# Allegro board 038RT-9068CJK8E-A100_0921_1.brd (continued)
## Routing (per net, layer and track width the routed paths; a pad name or vN(x,y) marks a point on that pad's centre or on a via; arc(x,y) is an arc through that point) (continued)
  BOTTOM w0.115: RR500.1 v1(98.16,230.1) RR510.1
S0_P1_TXD1: length 234.8
  L11_SIGNAL w0.102: 292.92,200.13 292.89,200.13 292.79,200.22 292.1,200.22 v1(291.7,199.82)
  L11_SIGNAL w0.105: 292.92,200.13 293.96,200.13 295.2,201.37 295.2,203.4 297.79,205.99 297.79,209.96 297.51,210.24 297.51,215.44 290.95,222 290.95,226.84 287.39,230.4 286.6,230.4 285.65,231.35 226.75,231.35 225.88,232.23 220.08,232.23 217.42,234.88 198.05,234.88 195.52,237.42 181.87,237.42 180.22,239.07 162.7,239.07 162.33,238.71 137.34,238.71 136.19,237.56 136.19,236.61 135.12,235.53 133.29,235.53 132.45,234.69 127.1,234.69 126.56,234.14 126.54,234.14 126.45,234.06 103.38,234.06 100.94,231.63 100.94,230.85 v1(100.2,230.1)
  BOTTOM w0.115: RR501.1 v1(100.2,230.1) RR511.1
S0_P1_TXD2: length 247.3
  L11_SIGNAL w0.105: v1(291.7,199.02) 292.25,198.47 294.44,198.47 295.26,199.29 297.62,199.29 301.29,202.96 301.29,208.49 298.62,211.16 298.62,215.9 293.43,221.09 293.43,225.56 292.06,226.93 292.06,227.3 287.85,231.51 287.22,231.51 286.23,232.5 227.38,232.5 226.39,233.49 222.86,233.49 218.75,237.6 198.44,237.6 197.47,238.57 182.3,238.57 178.98,241.9 137.97,241.9 134.67,238.59 133.75,238.59 130.99,235.84 101.87,235.84 v1(96.13,230.1)
  BOTTOM w0.115: RR502.1 v1(96.13,230.1) RR512.1
S0_P1_TXD3: length 255.4
  L11_SIGNAL w0.102: v1(290.9,199.82) 290.5,199.42 290.5,198.67 290.57,198.6
  L11_SIGNAL w0.105: v1(94.1,230.1) 100.4,236.4 130.69,236.4 133.33,239.04 133.33,240.33 135.45,242.45 181.9,242.45 182.47,241.88 182.85,241.88 185.6,239.13 197.7,239.13 198.64,238.19 218.94,238.19 223.09,234.04 226.62,234.04 227.61,233.06 288.04,233.06 293.98,227.12 293.98,221.32 299.17,216.13 299.17,211.39 301.84,208.72 301.84,202.73 301.62,202.51 301.62,202.48 297.03,197.89 291.28,197.89 290.57,198.6
  BOTTOM w0.115: RR513.1 v1(94.1,230.1) RR503.1
S0_P1_TXEN: length 230.6
  L11_SIGNAL w0.102: v1(292.5,200.62) 292.5,200.65 292.61,200.76 292.92,200.76
  L11_SIGNAL w0.105: v1(102.23,230.1) 103.04,230.91 103.04,232.38 104.14,233.48 126.85,233.48 127.42,234.04 132.76,234.04 133.69,234.97 135.4,234.97 136.74,236.31 136.74,236.37 136.75,236.38 136.75,237.33 137.57,238.15 162.56,238.15 162.93,238.52 179.99,238.52 181.64,236.86 195.29,236.86 197.82,234.33 217.08,234.33 219.73,231.67 225.38,231.67 226.42,230.64 239.01,230.64 240.46,229.19 262.71,229.19 263.36,229.85 287.16,229.85 290.4,226.61 290.4,221.77 296.95,215.21 296.95,210.01 297.24,209.73 297.24,206.22 294.53,203.51 294.53,201.61 293.67,200.76 292.92,200.76
  BOTTOM w0.115: RR515.1 v1(102.23,230.1) RR505.1
S0_P1_VDDIO:
  vias: v1(290.9,202.22) v1(291.7,201.42) v1(292.5,202.22) v1(297.46,202.26) v1(298.28,201.75) v1(298.92,201.75)
S0_P2_GIGA_MDI+: length 5.6
  BOTTOM w0.105: T18.3 287.43,217.32 287.43,216.71 289.93,214.21 289.93,213.59 v1(290.1,213.42)
S0_P2_GIGA_MDI-: length 5.6
  BOTTOM w0.105: T18.4 286.96,217.32 286.96,216.52 289.46,214.02 289.46,213.59 v1(289.3,213.42)
S0_P2_LED: length 27.1
  L05_SIGNAL w0.102: 292.92,206.62 289.7,206.62 v1(289.3,207.02)
  L05_SIGNAL w0.105: 292.92,206.62 296.24,206.62 296.53,206.91 307.43,206.91 308.65,208.13 314.3,208.13 v1(315.24,209.07)
S0_P3_GIGA_MDI+: length 5.6
  BOTTOM w0.105: v1(291.7,213.42) 291.53,213.59 291.53,213.77 294.03,216.28 294.03,217.32 T23.3
S0_P3_GIGA_MDI-: length 5.6
  BOTTOM w0.105: v1(290.9,213.42) 291.06,213.59 291.06,213.97 293.57,216.47 293.57,217.32 T23.4
S0_P3_LED: length 20
  L05_SIGNAL w0.102: v1(289.3,206.22) 289.7,205.82 292.92,205.82
  L05_SIGNAL w0.105: 292.92,205.82 296.69,205.82 297.19,206.32 308.68,206.32 v1(308.89,206.53)
S0_P4_HSI+: length 186.5
  L07_SIGNAL w0.1: 286.6,198.6 286.66,198.53 arc(286.7,198.48) 286.72,198.41 286.72,197.96 arc(286.7,197.91) 286.68,197.86 283.77,194.96 arc(283.36,194.34) 283.21,193.62 283.21,189.78 arc(282.54,188.17) 280.93,187.5 280.85,187.5 arc(277.92,186.92) 275.43,185.26 271.87,181.69 arc(269.65,180.2) 267.03,179.68 222.88,179.68 194.85,207.72 arc(194.68,207.83) 194.49,207.87 157.46,207.87 arc(157.4,207.88) 157.36,207.91 149.39,215.88 arc(149.36,215.92) 149.35,215.97 149.35,220.55 arc(149.31,220.75) 149.2,220.91 144.21,225.9 arc(144.05,226.01) 143.86,226.05 139.69,226.05 arc(139.49,226.01) 139.33,225.9 139.22,225.79 arc(139.11,225.63) 139.07,225.43 139.07,224.53 arc(139.11,224.34) 139.22,224.18 139.41,223.99 arc(139.57,223.88) 139.76,223.85 140.38,223.85 arc(140.47,223.83) 140.54,223.78 v1(140.62,223.7)
  L07_SIGNAL w0.102: 286.6,198.6 286.54,198.66 arc(286.51,198.71) 286.5,198.76 286.5,199.21 arc(286.54,199.4) 286.64,199.57 v4(286.9,199.82)
  BOTTOM w0.105: K184.3 139.03,223.8 140.52,223.8 v1(140.62,223.7)
S0_P4_HSI-: length 186.5
  L07_SIGNAL w0.1: v1(140.62,224.36) 140.54,224.28 arc(140.47,224.23) 140.38,224.21 139.76,224.21 arc(139.71,224.22) 139.66,224.25 139.48,224.43 arc(139.45,224.48) 139.44,224.53 139.44,225.43 arc(139.45,225.49) 139.48,225.53 139.59,225.64 arc(139.63,225.67) 139.69,225.68 143.86,225.68 arc(143.91,225.67) 143.95,225.64 148.95,220.65 arc(148.98,220.61) 148.99,220.55 148.99,215.97 arc(149.02,215.78) 149.13,215.62 157.1,207.65 arc(157.27,207.54) 157.46,207.5 162.2,207.5 arc(162.31,207.48) 162.4,207.42 162.42,207.41 arc(162.53,207.33) 162.68,207.3 162.74,207.3 arc(162.88,207.33) 163,207.41 163.02,207.42 arc(163.11,207.48) 163.22,207.5 163.4,207.5 arc(163.51,207.48) 163.6,207.42 163.62,207.41 arc(163.73,207.33) 163.85,207.31 163.97,207.31 arc(164.09,207.33) 164.2,207.41 164.22,207.42 arc(164.31,207.48) 164.42,207.5 164.6,207.5 arc(164.71,207.48) 164.8,207.42 164.82,207.41 arc(164.93,207.33) 165.07,207.3 165.15,207.3 arc(165.29,207.33) 165.4,207.41 165.42,207.42 arc(165.51,207.48) 165.62,207.5 165.8,207.5 arc(165.91,207.48) 166,207.42 166.02,207.41 arc(166.14,207.32) 166.29,207.29 166.34,207.29 arc(166.48,207.32) 166.6,207.41 166.62,207.42 arc(166.71,207.48) 166.82,207.5 167,207.5 arc(167.11,207.48) 167.21,207.42 167.22,207.41 arc(167.33,207.33) 167.46,207.3 167.56,207.3 arc(167.69,207.33) 167.81,207.41 167.82,207.42 arc(167.91,207.48) 168.02,207.5 194.49,207.5 arc(194.55,207.49) 194.59,207.46 222.69,179.37 arc(222.74,179.33) 222.8,179.32 267.03,179.32 arc(269.78,179.87) 272.12,181.43 275.69,185 arc(278.06,186.58) 280.85,187.14 280.93,187.14 arc(282.8,187.91) 283.58,189.78 283.58,193.61 arc(283.69,194.2) 284.03,194.7 286.93,197.61 arc(287.04,197.77) 287.08,197.96 287.08,198.43 arc(287.09,198.49) 287.12,198.54 287.18,198.6
  L07_SIGNAL w0.102: 287.18,198.6 287.25,198.67 arc(287.28,198.72) 287.3,198.79 287.3,199.21 arc(287.34,199.4) 287.44,199.57 v4(287.7,199.82)
  BOTTOM w0.105: v1(140.62,224.36) 140.52,224.26 139.03,224.26 K184.2
S0_P4_HSO+: length 174.2
  L05_SIGNAL w0.1: 287.91,198.6 287.91,198.58 287.92,198.57 arc(287.79,198.27) 287.49,198.15 283.87,198.15 arc(283.59,198.09) 283.34,197.93 arc(283.2,197.83) 283.04,197.8 264.68,197.8 arc(264.62,197.81) 264.58,197.84 263.01,199.41 263.01,199.41 261.92,200.5 arc(261.24,200.95) 260.45,201.11 251.32,201.11 arc(251.17,201.14) 251.04,201.23 250.6,201.66 arc(250.31,202.09) 250.21,202.6 250.21,206.25 arc(249.59,207.76) 248.07,208.39 164.91,208.39 arc(162.62,208.84) 160.68,210.14 144.91,225.91 arc(144.36,226.28) 143.7,226.41 141,226.41 arc(140.4,226.29) 139.89,225.95 139.53,225.59 arc(139.23,225.14) 139.13,224.62 139.13,222.35 arc(139.16,222.16) 139.27,221.99 139.49,221.78 arc(139.65,221.67) 139.85,221.63 140.92,221.63 arc(141.15,221.68) 141.35,221.81 141.35,221.81 arc(141.39,221.84) 141.44,221.85 142.16,221.85 arc(142.24,221.83) 142.32,221.78 v1(142.4,221.7)
  L05_SIGNAL w0.102: 287.91,198.6 287.91,198.71 arc(287.9,198.8) 287.85,198.87 v4(287.7,199.02)
  BOTTOM w0.105: K184.7 139.03,221.8 142.3,221.8 v1(142.4,221.7)
S0_P4_HSO-: length 174.2
  L05_SIGNAL w0.1: 288.28,198.6 288.28,198.58 288.28,198.57 arc(288.05,198.02) 287.49,197.78 283.87,197.78 arc(283.73,197.75) 283.6,197.67 arc(283.34,197.5) 283.04,197.44 264.68,197.44 arc(264.48,197.47) 264.32,197.58 262.65,199.26 261.66,200.24 arc(261.1,200.62) 260.45,200.75 251.32,200.75 arc(251.03,200.8) 250.78,200.97 250.35,201.4 arc(249.98,201.95) 249.85,202.6 249.85,206.25 arc(249.33,207.5) 248.07,208.02 173.34,208.02 arc(173.23,208) 173.14,207.94 arc(173.03,207.87) 172.9,207.84 172.76,207.84 arc(172.63,207.87) 172.52,207.94 arc(172.43,208) 172.32,208.02 172.14,208.02 arc(172.03,208) 171.94,207.94 arc(171.82,207.86) 171.68,207.83 171.58,207.83 arc(171.44,207.86) 171.32,207.94 arc(171.23,208) 171.12,208.02 170.94,208.02 arc(170.83,208) 170.74,207.94 170.72,207.93 arc(170.61,207.85) 170.48,207.83 170.4,207.83 arc(170.25,207.86) 170.12,207.94 170.12,207.94 arc(170.03,208) 169.92,208.02 169.74,208.02 arc(169.63,208) 169.54,207.94 169.53,207.93 arc(169.41,207.86) 169.28,207.83 169.19,207.83 arc(169.04,207.86) 168.92,207.94 arc(168.83,208) 168.72,208.02 168.54,208.02 arc(168.43,208) 168.33,207.94 168.32,207.92 arc(168.24,207.87) 168.15,207.86 167.93,207.86 arc(167.82,207.88) 167.72,207.94 arc(167.63,208) 167.52,208.02 164.91,208.02 arc(162.48,208.51) 160.42,209.88 144.65,225.65 arc(144.22,225.94) 143.7,226.05 141,226.05 arc(140.54,225.95) 140.15,225.69 139.78,225.33 arc(139.57,225) 139.49,224.62 139.49,222.35 arc(139.5,222.3) 139.53,222.25 139.75,222.03 arc(139.79,222) 139.85,221.99 140.92,221.99 arc(141.01,222.01) 141.09,222.07 arc(141.25,222.17) 141.44,222.21 142.09,222.21 arc(142.24,222.24) 142.37,222.32 v1(142.4,222.36)
  L05_SIGNAL w0.102: 288.28,198.6 288.28,198.87 arc(288.32,198.97) 288.43,199.02 v4(288.5,199.02)
  BOTTOM w0.105: v1(142.4,222.36) 142.3,222.26 139.03,222.26 K184.6
S0_P5_HSI+: length 189.1
  L07_SIGNAL w0.1: 288.2,198.6 288.27,198.54 arc(288.3,198.48) 288.32,198.42 288.32,186.82 arc(288.1,185.73) 287.48,184.81 279,176.32 arc(278.62,176.07) 278.17,175.98 223.18,175.98 arc(223.13,175.99) 223.08,176.02 194.68,204.43 arc(194.51,204.54) 194.32,204.57 177.63,204.57 arc(177.5,204.6) 177.39,204.68 177.37,204.69 arc(177.24,204.78) 177.09,204.81 177.07,204.81 arc(176.92,204.78) 176.79,204.69 176.77,204.68 arc(176.66,204.6) 176.53,204.57 176.43,204.57 arc(176.3,204.6) 176.19,204.68 176.17,204.69 arc(176.05,204.77) 175.9,204.8 175.86,204.8 arc(175.71,204.77) 175.59,204.69 175.57,204.68 arc(175.46,204.6) 175.33,204.57 175.23,204.57 arc(175.1,204.6) 174.98,204.68 174.97,204.69 arc(174.85,204.77) 174.71,204.8 174.64,204.8 arc(174.5,204.77) 174.38,204.69 174.37,204.68 arc(174.26,204.6) 174.12,204.57 174.03,204.57 arc(173.9,204.6) 173.78,204.68 173.77,204.69 arc(173.65,204.77) 173.51,204.8 173.44,204.8 arc(173.3,204.77) 173.18,204.69 173.17,204.68 arc(173.06,204.6) 172.92,204.57 172.83,204.57 arc(172.7,204.6) 172.58,204.68 172.57,204.69 arc(172.45,204.77) 172.31,204.8 172.24,204.8 arc(172.1,204.77) 171.98,204.69 171.97,204.68 arc(171.86,204.6) 171.72,204.57 171.63,204.57 arc(171.49,204.6) 171.38,204.68 171.37,204.69 arc(171.25,204.77) 171.11,204.8 171.04,204.8 arc(170.9,204.77) 170.78,204.69 170.77,204.68 arc(170.65,204.6) 170.52,204.57 170.43,204.57 arc(170.29,204.6) 170.18,204.68 170.17,204.69 arc(170.05,204.77) 169.91,204.8 169.83,204.8 arc(169.7,204.77) 169.58,204.69 169.57,204.68 arc(169.45,204.6) 169.32,204.57 169.23,204.57 arc(169.09,204.6) 168.98,204.68 168.97,204.69 arc(168.85,204.77) 168.72,204.79 168.63,204.79 arc(168.49,204.77) 168.38,204.69 168.37,204.68 arc(168.25,204.6) 168.12,204.57 168.03,204.57 arc(167.89,204.6) 167.78,204.68 167.77,204.69 arc(167.65,204.77) 167.52,204.79 167.43,204.79 arc(167.29,204.77) 167.18,204.69 167.17,204.68 arc(167.05,204.6) 166.92,204.57 166.82,204.57 arc(166.69,204.6) 166.58,204.68 166.56,204.69 arc(166.45,204.77) 166.32,204.79 166.22,204.79 arc(166.09,204.77) 165.98,204.69 165.96,204.68 arc(165.85,204.6) 165.72,204.57 165.62,204.57 arc(165.49,204.6) 165.38,204.68 165.36,204.69 arc(165.25,204.77) 165.12,204.79 165.02,204.79 arc(164.89,204.77) 164.78,204.69 164.76,204.68 arc(164.65,204.6) 164.52,204.57 164.42,204.57 arc(164.29,204.6) 164.18,204.68 164.16,204.69 arc(164.05,204.77) 163.92,204.79 163.82,204.79 arc(163.69,204.77) 163.58,204.69 163.56,204.68 arc(163.45,204.6) 163.32,204.57 163.22,204.57 arc(163.09,204.6) 162.98,204.68 162.96,204.69 arc(162.85,204.77) 162.72,204.79 162.62,204.79 arc(162.49,204.77) 162.38,204.69 162.36,204.68 arc(162.25,204.6) 162.11,204.57 162.02,204.57 arc(161.89,204.6) 161.77,204.68 161.76,204.69 arc(161.65,204.77) 161.51,204.79 161.42,204.79 arc(161.29,204.77) 161.17,204.69 161.16,204.68 arc(161.05,204.6) 160.91,204.57 157.29,204.57 arc(157.23,204.59) 157.19,204.62 143.35,218.46 arc(143.32,218.5) 143.31,218.56 143.31,219.23 arc(143.34,219.31) 143.42,219.35 143.75,219.35 arc(143.84,219.33) 143.91,219.28 v1(143.99,219.2)
  L07_SIGNAL w0.102: 288.2,198.6 288.14,198.66 arc(288.11,198.71) 288.1,198.77 288.1,199.21 arc(288.14,199.4) 288.24,199.57 v4(288.5,199.82)
  BOTTOM w0.105: v1(143.99,219.2) 143.9,219.3 139.03,219.3 K184.12
S0_P5_HSI-: length 189.1
  L07_SIGNAL w0.1: 288.75,198.6 288.68,198.53 288.68,186.82 arc(288.43,185.59) 287.74,184.55 279.25,176.06 arc(278.76,175.73) 278.17,175.62 223.18,175.62 arc(222.99,175.66) 222.83,175.76 194.42,204.17 arc(194.37,204.2) 194.32,204.21 157.29,204.21 arc(157.09,204.25) 156.93,204.36 143.09,218.2 arc(142.98,218.36) 142.94,218.56 142.94,219.23 arc(143.08,219.57) 143.42,219.71 143.75,219.71 arc(143.84,219.73) 143.91,219.78 v1(143.99,219.86)
  L07_SIGNAL w0.102: 288.75,198.6 288.83,198.68 arc(288.88,198.76) 288.9,198.85 288.9,199.21 arc(288.94,199.4) 289.04,199.57 v4(289.3,199.82)
  BOTTOM w0.105: K184.11 139.03,219.76 143.9,219.76 v1(143.99,219.86)
S0_P5_HSO+: length 171.1
  L05_SIGNAL w0.1: v1(142.4,217.2) 142.32,217.28 arc(142.24,217.33) 142.16,217.35 140.31,217.35 arc(140.26,217.34) 140.22,217.31 139.58,216.66 arc(139.55,216.62) 139.54,216.57 139.54,213.58 arc(139.55,213.53) 139.58,213.49 140.58,212.48 arc(140.63,212.45) 140.68,212.44 147.76,212.44 arc(147.95,212.4) 148.11,212.29 158.29,202.12 arc(158.33,202.09) 158.38,202.08 159.75,202.08 arc(159.89,202.1) 160,202.18 160.01,202.19 arc(160.13,202.27) 160.26,202.3 160.35,202.3 arc(160.49,202.27) 160.6,202.19 160.62,202.18 arc(160.73,202.1) 160.86,202.08 160.96,202.08 arc(161.09,202.1) 161.2,202.18 161.22,202.19 arc(161.33,202.27) 161.46,202.3 161.56,202.3 arc(161.69,202.27) 161.8,202.19 161.82,202.18 arc(161.93,202.1) 162.06,202.08 162.16,202.08 arc(162.29,202.1) 162.4,202.18 162.42,202.19 arc(162.53,202.27) 162.66,202.3 162.76,202.3 arc(162.89,202.27) 163,202.19 163.02,202.18 arc(163.13,202.1) 163.26,202.08 163.36,202.08 arc(163.49,202.1) 163.6,202.18 163.62,202.19 arc(163.73,202.27) 163.86,202.3 163.96,202.3 arc(164.09,202.27) 164.2,202.19 164.22,202.18 arc(164.33,202.1) 164.46,202.08 164.56,202.08 arc(164.69,202.1) 164.8,202.18 164.82,202.19 arc(164.93,202.27) 165.07,202.3 165.16,202.3 arc(165.29,202.27) 165.41,202.19 165.42,202.18 arc(165.53,202.1) 165.67,202.08 165.76,202.08 arc(165.89,202.1) 166.01,202.18 166.02,202.19 arc(166.13,202.27) 166.27,202.3 166.36,202.3 arc(166.49,202.27) 166.61,202.19 166.62,202.18 arc(166.73,202.1) 166.87,202.08 166.96,202.08 arc(167.09,202.1) 167.21,202.18 167.22,202.19 arc(167.33,202.27) 167.47,202.3 167.56,202.3 arc(167.69,202.27) 167.81,202.19 167.82,202.18 arc(167.93,202.1) 168.07,202.08 168.16,202.08 arc(168.29,202.1) 168.41,202.18 168.42,202.19 arc(168.53,202.27) 168.67,202.3 168.76,202.3 arc(168.89,202.27) 169.01,202.19 169.02,202.18 arc(169.13,202.1) 169.27,202.08 169.36,202.08 arc(169.5,202.1) 169.61,202.18 169.62,202.19 arc(169.74,202.27) 169.87,202.3 169.96,202.3 arc(170.1,202.27) 170.21,202.19 170.22,202.18 arc(170.34,202.1) 170.47,202.08 170.56,202.08 arc(170.7,202.1) 170.81,202.18 170.82,202.19 arc(170.94,202.27) 171.07,202.3 171.16,202.3 arc(171.3,202.27) 171.41,202.19 171.42,202.18 arc(171.54,202.1) 171.67,202.08 171.76,202.08 arc(171.9,202.1) 172.01,202.18 172.02,202.19 arc(172.14,202.27) 172.29,202.3 172.35,202.3 arc(172.49,202.27) 172.61,202.19 172.62,202.18 arc(172.74,202.1) 172.87,202.08 172.96,202.08 arc(173.1,202.1) 173.21,202.18 173.22,202.19 arc(173.35,202.28) 173.5,202.31 173.54,202.31 arc(173.68,202.28) 173.81,202.19 173.83,202.18 arc(173.94,202.1) 174.07,202.08 174.17,202.08 arc(174.3,202.1) 174.41,202.18 174.43,202.19 arc(174.55,202.28) 174.69,202.3 174.74,202.3 arc(174.89,202.28) 175.01,202.19 175.03,202.18 arc(175.14,202.1) 175.27,202.08 175.37,202.08 arc(175.5,202.1) 175.61,202.18 175.63,202.19 arc(175.76,202.28) 175.91,202.31 175.93,202.31 arc(176.08,202.28) 176.21,202.19 176.23,202.18 arc(176.34,202.1) 176.47,202.08 221.83,202.08 arc(222.02,202.04) 222.18,201.93 222.95,201.16 arc(222.98,201.14) 223.02,201.13 244.77,201.13 arc(245.52,200.98) 246.16,200.56 247.84,198.88 arc(248.08,198.72) 248.36,198.66 259.72,198.66 arc(259.91,198.62) 260.07,198.52 262.59,196 arc(262.64,195.97) 262.69,195.96 280,195.96 arc(280.26,196.01) 280.47,196.15 arc(280.68,196.29) 280.93,196.34 288.97,196.34 arc(289.15,196.38) 289.29,196.48 289.47,196.66 arc(289.5,196.7) 289.52,196.75 289.52,198.57 289.51,198.58 289.51,198.6
  L05_SIGNAL w0.102: 289.51,198.6 289.51,198.71 arc(289.5,198.8) 289.45,198.87 v4(289.3,199.02)
  BOTTOM w0.105: K184.16 139.03,217.3 142.3,217.3 v1(142.4,217.2)
S0_P5_HSO-: length 171.1
  L05_SIGNAL w0.1: 289.88,198.6 289.88,198.58 289.88,198.57 289.88,196.75 arc(289.84,196.56) 289.73,196.4 289.55,196.22 arc(289.29,196.04) 288.97,195.98 280.93,195.98 arc(280.82,195.96) 280.73,195.9 arc(280.4,195.67) 280,195.59 262.69,195.59 arc(262.5,195.63) 262.34,195.74 259.82,198.26 arc(259.77,198.29) 259.72,198.3 248.36,198.3 arc(247.94,198.38) 247.58,198.62 245.9,200.3 arc(245.38,200.65) 244.77,200.77 223.02,200.77 arc(222.84,200.8) 222.69,200.91 221.92,201.67 arc(221.88,201.7) 221.83,201.71 158.38,201.71 arc(158.19,201.75) 158.03,201.86 147.85,212.04 arc(147.81,212.07) 147.76,212.08 140.68,212.08 arc(140.49,212.11) 140.33,212.22 139.32,213.23 arc(139.21,213.39) 139.17,213.58 139.17,216.57 arc(139.21,216.76) 139.32,216.92 139.96,217.56 arc(140.12,217.67) 140.31,217.71 142.16,217.71 arc(142.24,217.73) 142.32,217.78 v1(142.4,217.86)
  L05_SIGNAL w0.102: 289.88,198.6 289.88,198.71 arc(289.9,198.8) 289.94,198.87 v4(290.1,199.02)
  BOTTOM w0.105: K184.15 139.03,217.76 142.3,217.76 v1(142.4,217.86)
S0_P5_LDOOUT:
  vias: v1(286.9,206.22) v1(286.9,205.42)
S0_P5_LED: length 23.4
  L05_SIGNAL w0.102: 292.92,205.02 289.7,205.02 v1(289.3,205.42)
  L05_SIGNAL w0.105: 292.92,205.02 311.03,205.02 v1(312.06,203.99)
S0_P5_MDI+: length 29.7
  TOP w0.105: 259.12,211.94 261.94,211.94 263.49,213.49 263.49,216.29 264.28,217.08 279.12,217.08 281.13,215.07 281.13,213.59 SITE0.A5
  TOP w0.115: 259.12,211.94 259.01,212.05 K130.3
S0_P5_MDI-: length 29.7
  TOP w0.105: 259.12,211.48 262.14,211.48 263.95,213.3 263.95,213.84 264.08,213.97 264.17,213.97 264.29,214.09 264.29,214.26 264.17,214.39 264.08,214.39 263.95,214.51 263.95,214.68 264.08,214.81 264.17,214.81 264.29,214.93 264.29,215.1 264.17,215.23 264.08,215.23 263.95,215.35 263.95,216.09 264.47,216.61 278.93,216.61 280.66,214.87 280.66,213.59 SITE0.A4
  TOP w0.115: K130.6 259.01,211.37 259.12,211.48
S0_P5_RXC: length 26.4
  L07_SIGNAL w0.102: 292.92,208.62 v1(292.5,208.62)
  L07_SIGNAL w0.105: 292.92,208.62 293.55,208.62 294.67,209.74 294.67,215.22 289.84,220.04 289.84,221.91 286.33,225.43 284.47,225.43 v1(282.91,223.87)
  BOTTOM w0.115: RR924.1 v1(282.91,223.87) RR934.1
S0_P5_RXD0: length 193.1
  L11_SIGNAL w0.102: v1(292.5,211.02) 292.1,211.41 292.1,211.98 292.11,211.98 292.11,212.46 292.1,212.46 292.1,213.77 292.04,213.84
  L11_SIGNAL w0.105: 292.04,213.84 290.01,215.86 281.45,215.86 281.01,216.3 265.93,216.3 262.13,220.1 238.76,220.1 236.81,222.04 228.35,222.04 227.84,222.55 220.1,222.55 214.38,228.26 196.8,228.26 195.29,229.77 185.18,229.77 183.28,231.66 180.49,231.66 179.16,232.99 170.54,232.99 169.99,232.44 166.08,232.44 161.32,227.68 147.19,227.68 145.59,226.07 128.03,226.07 125.71,223.75 118.89,223.75 v1(115.62,220.48)
  BOTTOM w0.115: RR930.1 v1(115.62,220.48) RR920.1
S0_P5_RXD1: length 20.6
  L07_SIGNAL w0.102: v1(291.7,210.22) 292.1,209.82 292.92,209.82
  L07_SIGNAL w0.105: 292.92,209.82 293.34,209.82 293.93,210.41 293.93,215.11 285.17,223.87 v1(284.94,223.87)
  BOTTOM w0.115: RR921.1 v1(284.94,223.87) RR931.1
S0_P5_RXD2: length 18
  L07_SIGNAL w0.105: v1(282.91,220.06) 287.86,220.06 293.35,214.58 293.35,211.07 v1(292.5,210.22)
  BOTTOM w0.115: RR922.1 v1(282.91,220.06) RR932.1
S0_P5_RXD3: length 28.3
  L15_SIGNAL w0.102: v1(291.7,209.42) 291.3,209.82 291.3,213.84
  L15_SIGNAL w0.105: v1(276.81,223.87) 276.03,223.08 276.03,218.39 277.17,217.24 281.03,217.24 282.47,215.8 289.49,215.8 291.3,214 291.3,213.84
  BOTTOM w0.115: RR933.1 v1(276.81,223.87) RR923.1
S0_P5_RXDV: length 22.8
  L15_SIGNAL w0.105: v1(292.5,209.42) 294.25,211.17 294.25,214.7 292.29,216.67 283.29,216.67 281.54,218.41 281.54,219.39 v1(280.88,220.06)
  BOTTOM w0.115: RR925.1 v1(280.88,220.06) RR935.1
S0_P5_TXC: length 232.4
  L11_SIGNAL w0.102: v1(291.7,207.02) 292.1,207.42 292.1,208.1 292.22,208.22 292.8,208.22 292.92,208.34 ; 292.83,213.84 292.92,213.75
  L11_SIGNAL w0.105: v1(83.94,230.1) 89.58,224.46 104.83,224.46 108.09,227.71 119.38,227.71 120.32,226.77 129.05,226.77 130.02,227.74 146.4,227.74 146.41,227.75 146.46,227.75 146.7,227.99 146.72,227.99 146.96,228.24 160.93,228.24 165.69,232.99 169.76,232.99 170.31,233.54 179.39,233.54 180.72,232.22 183.51,232.22 185.41,230.32 195.54,230.32 197.05,228.82 214.61,228.82 218.47,224.96 234.68,224.96 238.97,220.68 262.37,220.68 266.17,216.88 281.58,216.88 282.02,216.44 290.23,216.44 292.83,213.84 ; 292.92,213.75 293.07,213.6 293.07,208.49 292.92,208.34
  BOTTOM w0.115: RR904.1 v1(83.94,230.1) RR914.1
S0_P5_TXD0: length 233.6
  L11_SIGNAL w0.102: v1(291.7,206.22) 292.1,206.62 292.83,206.62 292.9,206.7 292.92,206.7
  L11_SIGNAL w0.105: 292.92,206.7 293.71,206.7 294.45,207.44 294.45,207.5 294.46,207.5 294.46,208.52 294.18,208.81 294.18,214.06 289.5,218.74 287.72,218.74 284.34,222.12 284.34,225.55 282.87,227.01 264.64,227.01 264.01,226.39 243.73,226.39 243.48,226.14 219.29,226.14 218.91,226.52 218.74,226.52 214.45,230.81 197.28,230.81 195.01,233.07 184.23,233.07 183.97,233.33 181.18,233.33 179.85,234.65 169.85,234.65 169.3,234.1 164.3,234.1 162.26,232.06 149.15,232.06 145.94,228.85 133.73,228.85 131.8,230.77 128.72,230.77 127.35,229.41 108.21,229.41 106.82,228.01 91.34,228.01 91.33,228.03 89.49,228.03 88.99,228.53 88.99,229.12 v1(88,230.1)
  BOTTOM w0.115: RR910.1 v1(88,230.1) RR900.1
S0_P5_TXD1: length 230.9
  L11_SIGNAL w0.105: v1(90.04,230.1) 91.57,228.57 106.59,228.57 107.98,229.96 127.03,229.96 128.43,231.37 132.09,231.37 134,229.46 145.76,229.46 148.98,232.67 161.95,232.67 163.94,234.66 169.07,234.66 169.62,235.21 180.08,235.21 181.41,233.88 184.2,233.88 184.46,233.63 195.24,233.63 197.51,231.37 214.85,231.37 219.52,226.69 243.25,226.69 243.5,226.94 263.76,226.94 264.39,227.57 283.11,227.57 286.39,224.29 286.39,222.63 294.73,214.29 294.73,209.04 295.02,208.75 295.02,207.14 293.98,206.11 292.61,206.11 v1(292.5,206.22)
  BOTTOM w0.115: RR901.1 v1(90.04,230.1) RR911.1
S0_P5_TXD2: length 219
  L11_SIGNAL w0.102: v1(291.7,205.42) 292.1,205.02 292.65,205.02 292.69,204.99 292.92,204.99
  L11_SIGNAL w0.105: v1(106.29,230.1) 107.69,231.5 119.32,231.5 120.19,232.37 127.49,232.37 127.78,232.65 145.8,232.65 148.79,235.65 162.5,235.65 164.26,237.41 177.9,237.41 177.92,237.39 179.47,237.39 181.87,234.99 184.66,234.99 184.91,234.75 195.77,234.75 198.04,232.48 215.32,232.48 218.32,229.48 238.5,229.48 239.9,228.08 263.17,228.08 263.76,228.68 283.57,228.68 283.57,228.68 286.11,228.68 287.52,227.26 287.52,223.07 295.84,214.75 295.84,209.55 296.13,209.27 296.13,206.68 294.44,205 294.31,205 294.3,204.99 292.92,204.99
  BOTTOM w0.115: RR912.1 v1(106.29,230.1) RR902.1
S0_P5_TXD3: length 230.7
  L11_SIGNAL w0.105: v1(292.5,205.42) 292.62,205.54 294.07,205.54 294.08,205.55 294.21,205.55 295.57,206.91 295.57,208.98 295.29,209.27 295.29,214.52 286.96,222.84 286.96,227.03 285.87,228.12 283.34,228.12 283.34,228.12 264.16,228.12 263.57,227.53 239.46,227.53 238.19,228.8 218.21,228.8 215.09,231.92 197.81,231.92 195.54,234.19 184.68,234.19 184.43,234.44 181.64,234.44 179.24,236.83 164.68,236.83 162.96,235.12 162.76,235.12 162.73,235.09 149.09,235.09 146.08,232.08 128.35,232.08 126.86,230.59 107.83,230.59 106.8,229.56 92.61,229.56 v1(92.07,230.1)
  BOTTOM w0.115: RR913.1 v1(92.07,230.1) RR903.1
S0_P5_TXEN: length 230.2
  L11_SIGNAL w0.102: 292.92,207.27 292.75,207.27 v1(292.5,207.02)
  L11_SIGNAL w0.105: v1(85.97,230.1) 86.82,229.26 86.82,228.75 89.11,226.45 106.04,226.45 107.86,228.27 119.63,228.27 120.12,227.78 126.77,227.78 127.5,228.51 133.02,228.51 133.23,228.3 146.17,228.3 146.18,228.31 146.23,228.31 146.94,229.02 160.89,229.02 165.42,233.55 169.53,233.55 170.08,234.1 179.62,234.1 180.95,232.77 183.74,232.77 185.64,230.88 195.77,230.88 197.28,229.37 214.84,229.37 218.63,225.59 218.89,225.59 218.89,225.58 234.84,225.58 238.99,221.44 262.69,221.44 266.49,217.64 289.81,217.64 293.62,213.83 293.62,208.42 293.9,208.14 293.9,207.67 293.5,207.27 292.92,207.27
  BOTTOM w0.115: RR905.1 v1(85.97,230.1) RR915.1
